# Altium PCB PCB1.PcbDoc (part 1 of 3) (continued)
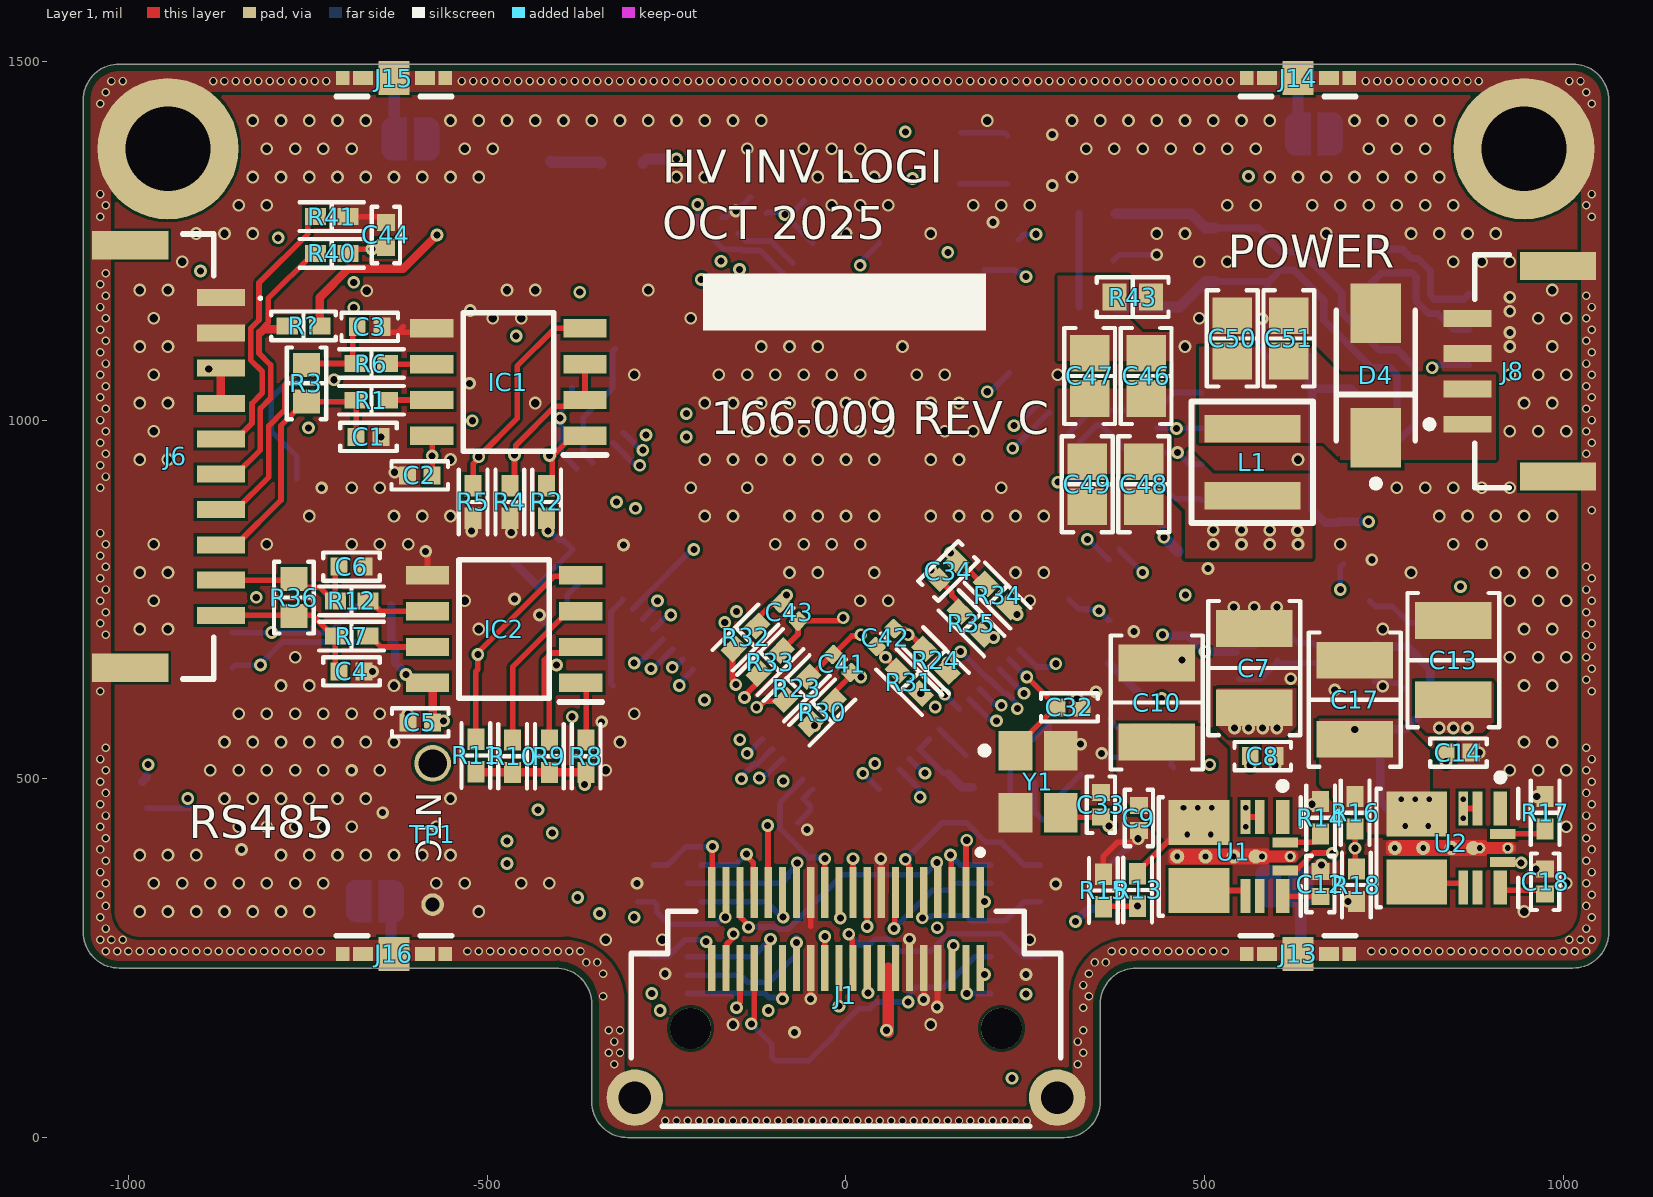
[diagram p0: Layer 1 view]
## Design rules (kind name [scope] priority, off if disabled: settings)
BoardOutlineClearance [All] p1: gap=10 ignorepadtopadclearanceinfootprint=FALSE except(0: Arc-SplitContinuation Track-SplitContinuation SMDPad-OutlineEdge SMDPad-CavityEdge SMDPad-CutoutEdge SMDPad-SplitBarrior SMDPad-SplitContinuation THPad-SplitContinuation Via-SplitContinuation Fill-SplitContinuation Poly-SplitContinuation Region-SplitContinuation Text-SplitContinuation)
Clearance [All] p1: gap=3.94 ignorepadtopadclearanceinfootprint=FALSE
ComponentClearance [All] p1: gap=2 collisioncheckmode=3 verticalgap=2 showdistances=FALSE
DiffPairsRouting [All] p1: maxlimit=10 minlimit=10 mostfreqgap=10 toplayer_minwidth=15 toplayer_maxwidth=15 toplayer_prefwidth=15 midlayer1_minwidth=15 midlayer1_maxwidth=15 midlayer1_prefwidth=15 midlayer2_minwidth=15 midlayer2_maxwidth=15 midlayer2_prefwidth=15 midlayer3_minwidth=15 midlayer3_maxwidth=15 midlayer3_prefwidth=15 midlayer4_minwidth=15 midlayer4_maxwidth=15 midlayer4_prefwidth=15 bottomlayer_minwidth=15 bottomlayer_maxwidth=15 bottomlayer_prefwidth=15 maxuncoupledlength=500
Height [All] p1 off: minheight=0 maxheight=1000 prefheight=500
HoleSize [All] p1: absolutevalues=TRUE maxlimit=196.85 minlimit=1 maxpercent=80.000 minpercent=20.000
HoleToHoleClearance [All] p1: gap=7.87 allowstackedmicrovias=TRUE
Length [All] p1 off: maxlimit=100000 minlimit=0
MatchedLengths [InNetClass('SDMMC')] p1: tolerance=1000 checknetsindiffpair=FALSE checkdiffpairvsdiffpair=TRUE checkxsignals=TRUE checkothers=TRUE usedelayunits=TRUE delaytolerance=200.000000
MinimumSolderMaskSliver [All] p1 off: minsoldermaskwidth=10
ParallelSegment [All] p1 off: limit=10000 gap=10
PlaneConnect [All] p1: planeconnectstyle=Direct reliefexpansion=20 reliefentries=4 reliefconductorwidth=10 reliefairgap=10
PolygonConnect [All] p1: connectstyle=Direct reliefconductorwidth=10 reliefentries=4 polygonreliefangle="90 Angle" airgapwidth=10
RoutingVias [All] p1: holewidth=7.87 width=15.75 viastyle="Through Hole" minholewidth=10 minwidth=10 maxholewidth=30 maxwidth=50
SilkToSilkClearance [All] p1: silktosilkclearance=2
SilkToSolderMaskClearance [IsPad] p1: minsilkscreentomaskgap=2 clearancetoexposedcopper=TRUE
SolderMaskExpansion isVia [isvia] p1: expansion=4 istentingtop=TRUE
SolderMaskExpansion [All] p2: expansion=0 istentingtop=FALSE
SupplyNets "Schematic Supply Nets_6" [InNet('GND')] p1: voltage=0.000
SupplyNets "Schematic Supply Nets_4" [InNet('3V')] p2: voltage=0.000
SupplyNets "Schematic Supply Nets_2" [InNet('12V')] p3: voltage=0.000
SupplyNets "Schematic Supply Nets_1" [InNet('CHASSIS')] p4: voltage=0.000
SupplyNets "Schematic Supply Nets" [InNet('+5V')] p5: voltage=0.000
Width [All] p1: maxlimit=50 minlimit=3.94 preferedwidth=7.87
21 further rules are at their usual default settings.

## Classes and differential pairs
component class Top: J9 J10 J11 J12 J13 J14 J15 J16 JP1 JP2 JP3 JP4
component class U_Power: C7 C8 C9 C10 C11 C12 C13 C14 C15 C16 C17 C18 C19 C20 IC6 R13 R14 R15 R16 R17 R18 R39 R44 U1 U2
component class U_PowerConnector: C46 C47 C48 C49 C50 C51 D4 J8 L1 R43
component class U_PeripheralConnector: C40 J4 J5 R27 R28 R29
component class U_MotorConnector: C44 J6 R40 R41 R?
component class U_MCU: C21 C22 C23 C24 C25 C26 C27 C28 C29 C30 C31 C32 C33 C35 C36 C52 C53 C54 D1 D2 D7 FB1 FB2 FL1 FL3 FL5 IC3 J2 R19 R20 R21 R22 R37 R38 SW1 TP1 U4 Y1
component class U_EnDat: C1 C2 C3 C4 C5 C6 IC1 IC2 R1 R2 R3 R4 R5 R6 R7 R8 R9 R10 R11 R12 R36
component class U_Connector: C34 C41 C42 C43 D5 D6 J1 R23 R24 R30 R31 R32 R33 R34 R35 U3 U6 U7 U8
component class U_CANConnector: C45 J7 R42
component class U_CANBus: C37 C38 C39 IC4 IC5 R25 R26 XMER1
differential pair CAN: +CAN_P -CAN_N
differential pair CAN_S: +CAN_S_P -CAN_S_N

## Components (designator, comment, footprint, x,y, rotation, side; value= is the part's Value field where it differs from the comment)
C1 "100 pF" "CAP 0402_1005" -665.35,976.38 r180 top
C2 "100nF" "CAP 0402_1005" -594.05,922.77 r0 top value="1 µF"
C3 "100 pF" "CAP 0402_1005" -663.78,1129.92 r0 top
C4 "100 pF" "CAP 0402_1005" -688.98,649.61 r180 top
C5 "100nF" "CAP 0402_1005" -593.34,578.49 r0 top value="1 µF"
C6 "100 pF" "CAP 0402_1005" -688.98,795.62 r0 top
C7 "10 µF" "CAP 1210_3225 - 1MM" 568.93,654.26 r270 top
C8 "0.1 µF" "CAP 0402_1005" 580.71,531.5 r180 top
C9 "0.1 µF" "CAP 0402_1005" 408.24,445.3 r90 top
C10 "22µF" "CAP 1210_3225 - 2.8MM" 433.07,606.3 r270 top
C11 "22µF" "CAP 1210_3225 - 2.8MM" 482.28,399.61 r90 bottom
C12 "1 µF" "CAP 0402_1005" 661.26,353.23 r270 top
C13 "10 µF" "CAP 1210_3225 - 1MM" 846.46,665.35 r270 top
C14 "0.1 µF" "CAP 0402_1005" 853.52,536.45 r180 top
C15 "0.1 µF" "CAP 0402_1005" 762.05,535.4 r180 bottom
C16 "22µF" "CAP 1210_3225 - 2.8MM" 753.07,404.72 r90 bottom
C17 "22µF" "CAP 1210_3225 - 2.8MM" 708.99,610.27 r270 top
C18 "1 µF" "CAP 0402_1005" 974.41,356.69 r270 top
C19 "CL10A226MQ8NRNC" CAP-0603 439.44,746.19 r0 bottom value=22µF
C20 "CL10A226MQ8NRNC" CAP-0603 777.3,654.77 r90 bottom value=22µF
C21 "10 µF" "CAP 0402_1005" 379.92,708.66 r135 bottom
C22 "10 µF" "CAP 0402_1005" 474.85,804.68 r135 bottom
C23 "1 µF" "MURATA GRM155 0402_1005" -122.05,1299.21 r315 bottom
C24 "1 µF" "MURATA GRM155 0402_1005" -161.42,1271.65 r315 bottom
C25 "1 µF" "MURATA GRM155 0402_1005" -399.61,720.89 r45 bottom
C26 "0.1 µF" "CAP 0402_1005" -70.36,1318.08 r315 bottom
C27 "0.1 µF" "CAP 0402_1005" 315.9,677.99 r225 bottom
C28 "0.1 µF" "CAP 0402_1005" 452.44,682.06 r90 bottom
C29 "0.1 µF" "CAP 0402_1005" -440.94,753.94 r45 bottom
C30 "0.1 µF" "CAP 0402_1005" -474.43,789.31 r45 bottom
C31 "0.1 µF" "CAP 0402_1005" -79.26,450.94 r135 bottom
C32 "8 pF" "CAP 0402_1005" 311.3,599.44 r0 top
C33 "8 pF" "CAP 0402_1005" 355.35,463.88 r90 top
C34 "1000 pF" "CAP 0402_1005" 142.47,789.45 r45 top
C35 "0.1 µF" "CAP 0402_1005" -748,918.06 r180 bottom
C36 "Capacitor 1µF +/-20% 10V 0402" CAPC0402(1005)60_L 353.98,648.69 r45 bottom value=1µF
C37 "4700 pF" "CAP 0603_1608" 346.05,1222.32 r0 bottom
C38 "1 µF" "CAP 0402_1005" 627.58,1088.35 r0 bottom
C39 "1 µF" "CAP 0402_1005" 433.07,972.05 r90 bottom
C40 "1000 pF" "CAP 0402_1005" 710.24,799.21 r180 bottom
C41 "Capacitor 100nF +/-20% 10V 0402" CAPC0402(1005)60_L -5.64,660.66 r135 top value=100nF
C42 "Capacitor 100nF +/-20% 10V 0402" CAPC0402(1005)60_L 54.53,696.82 r45 top value=100nF
C43 "Capacitor 100nF +/-20% 10V 0402" CAPC0402(1005)60_L -78.74,732.28 r135 top value=100nF
C44 "330 pF" "CAP 0402_1005" -641.24,1257.86 r270 top
C45 "1000 pF" "CAP 0402_1005" 192.57,1226.32 r270 bottom
C46 "2.2 µF" "CAP 0805_2012" 418.34,1061.42 r270 top
C47 "2.2 µF" "CAP 0805_2012" 339.57,1061.42 r270 top
C48 "2.2 µF" "CAP 0805_2012" 414.99,910.46 r90 top
C49 "2.2 µF" "CAP 0805_2012" 336.22,910.46 r90 top
C50 "2.2 µF" "CAP 0805_2012" 538.32,1113.78 r270 top
C51 "2.2 µF" "CAP 0805_2012" 617.09,1113.78 r270 top
C52 "Capacitor 1µF +/-20% 10V 0402" CAPC0402(1005)60_L 474.4,515.78 r180 bottom value=4.7µF
C53 "Capacitor 1µF +/-20% 10V 0402" CAPC0402(1005)60_L 295.24,589.95 r225 bottom value=4.7µF
C54 "Capacitor 100nF +/-20% 25V 0402" CAPC0402(1005)60_L 154.26,520.4 r225 bottom value=100nF
D1 "Red" "LED 0603_1608 RED" 129.38,1329.39 r0 bottom
D2 "Green" "LED 0603_1608 GREEN" 131.35,1400.25 r0 bottom
D4 "SMAJ24A" FP-SMAJ-MFG 738.35,1062.06 r90 top
D5 "SMF12AT1G" ONSC-SOD-123FL-2-498_V -12.8,147.64 r180 bottom
D6 "PESD3V3L1UB,115" FP-SOD523-MFG 360.51,346.78 r90 bottom
D7 "Green" "LED 0603_1608 GREEN" -312.31,1358.02 r180 bottom
FB1 "HZ0603A252R-10" BEADC1608X95N 433.07,595.68 r315 bottom
FB2 "HZ0603A252R-10" BEADC1608X95N 197.53,467.34 r135 bottom
FL1 "MEM2012S25R0T001" MEM2012S25R0T001 -355.43,599.3 r225 bottom
FL3 "MEM2012S25R0T001" MEM2012S25R0T001 -412.4,1075.79 r135 bottom
FL5 "MEM2012S25R0T001" MEM2012S25R0T001 -353.35,1133.86 r135 bottom
IC1 "SN65HVD78DR" SOIC127P600X175-8N -470.48,1052.92 r180 top
IC2 "SN65HVD78DR" SOIC127P600X175-8N -476.38,708.66 r180 top
IC3 "LDH40PUR" SON65P200X200X80-7N 356.3,535.43 r225 bottom
IC4 "ESD2CAN24DBZRQ1" SOT95P237X112-3N 472.07,1230.31 r180 bottom
IC5 "TCAN1472VDRQ1" SOIC127P600X175-8N 602.37,963.32 r0 bottom
IC6 "LDH40PUR" SON65P200X200X80-7N 694.6,661.06 r180 bottom
J1 "LSHM-120-01-L-DH-A-S-K-TR" *SAMTEC_LSHM-120-01-L-DH-A-S-K-TR_LSHM-120-01-L-DH-A-S-K-TR(Primary) 0,152.17 r0 top locked
J2 "FTSH-107-01-F-DV-K-P-TR_1" FTSH-107-XX-YYY-DV-K-P-TR -658.21,1152.69 r270 bottom
J4 "SM04B-GHS-TB(LF)(SN)" FP-SM04B-GHS-TB_LF_SN-MFG -944.88,728.35 r90 bottom
J5 "SM03B-GHS-TB(LF)(SN)" FP-SM03B-GHS-TB_LF_SN-MFG 951.68,709.65 r270 bottom
J6 "SM10B-GHS-TB" SM10BGHSTB -955.97,949.17 r270 top
J7 "SM05B-GHS-TB(LF)(SN)" FP-SM05B-GHS-TB_LF_SN-MFG 957.68,1076.77 r270 bottom
J8 "SM04B-GHS-TB(LF)(SN)" FP-SM04B-GHS-TB_LF_SN-MFG 955.71,1067.91 r90 top
J9 "S0951-46R" FP-S0951-46R-MFG -629.92,255.91 r270 bottom
J10 "S0951-46R" FP-S0951-46R-MFG 629.92,255.91 r270 bottom
J11 "S0951-46R" FP-S0951-46R-MFG -629.92,1476.38 r270 bottom
J12 "S0951-46R" FP-S0951-46R-MFG 629.92,1476.38 r270 bottom
J13 "S0951-46R" FP-S0951-46R-MFG 629.92,255.91 r90 top
J14 "S0951-46R" FP-S0951-46R-MFG 629.92,1476.38 r90 top
J15 "S0951-46R" FP-S0951-46R-MFG -629.92,1476.38 r90 top
J16 "S0951-46R" FP-S0951-46R-MFG -629.92,255.91 r90 top
JP1 "jumper_no" jumper_no 606.16,350.33 r90 bottom
JP2 "jumper_no" jumper_no -601.96,1391.69 r270 bottom
JP3 "jumper_no" jumper_no -661.49,329.43 r90 bottom
JP4 "jumper_no" jumper_no 657.48,1398.62 r270 bottom
L1 "XGL4020-152MEC" FP-XGL4020-MFG 566.24,941.12 r90 top value=1.5uH
R1 "10 Ohms" "RES 0402_1005" -661.42,1027.56 r180 top
R2 "4.7 kOhms" "RES 0402_1005" -417.32,885.83 r270 top
R3 "120R" "RES 0603_1608" -751.97,1051.18 r270 top value=510R
R4 "4.7 kOhms" "RES 0402_1005" -468.5,885.83 r90 top
R5 "4.7 kOhms" "RES 0402_1005" -519.68,885.83 r90 top
R6 "10 Ohms" "RES 0402_1005" -661.42,1078.74 r180 top
R7 "10 Ohms" "RES 0402_1005" -688.98,698.82 r180 top
R8 "4.7 kOhms" "RES 0402_1005" -362.2,531.5 r270 top
R9 "4.7 kOhms" "RES 0402_1005" -413.39,531.5 r270 top
R10 "4.7 kOhms" "RES 0402_1005" -464.57,531.5 r270 top
R11 "4.7 kOhms" "RES 0402_1005" -515.75,532.48 r270 top
R12 "10 Ohms" "RES 0402_1005" -688.98,748.03 r180 top
R13 "110k" "RES 0402_1005" 406.52,345.07 r270 top
R14 "12.1k" "RES 0402_1005" 661.57,445.61 r90 top
R15 "10k" "RES 0402_1005" 358.61,344.4 r90 top
R16 "40.2k" "RES 0402_1005" 709.48,452.74 r270 top
R17 "12.1k" "RES 0402_1005" 974.41,452.76 r90 top
R18 "10k" "RES 0402_1005" 711.27,351.85 r270 top
R19 "10 kOhms" "RES 0402_1005" -974.65,481.37 r90 bottom
R20 "1 kOhms" "RES 0402_1005" 247.49,1329.39 r180 bottom
R21 "1 kOhms" "RES 0402_1005" 247.49,1396.31 r180 bottom
R22 "1 kOhms" "RES 0402_1005" -434.05,1360.59 r0 bottom
R23 "50 Ohms" "RES 0402_1005" -68.62,626.09 r225 top value=50
R24 "50 Ohms" "RES 0402_1005" 125.4,665.32 r135 top
R25 "60R" "RES 0603_1608" 350.39,1287.4 r0 bottom value="560 Ohms"
R26 "60R" "RES 0603_1608" 350.39,1157.48 r180 bottom value="560 Ohms"
R27 "4.7 kOhms" "RES 0402_1005" -655.3,690.73 r0 bottom
R28 "4.7 kOhms" "RES 0402_1005" -656.2,740.85 r0 bottom
R29 "100 Ohms" "RES 0402_1005" 707.3,748.02 r0 bottom
R30 "50 Ohms" "RES 0402_1005" -33.19,592.51 r225 top
R31 "50 Ohms" "RES 0402_1005" 88.12,634.71 r135 top
R32 "50 Ohms" "RES 0402_1005" -139.99,697.02 r225 top
R33 "50 Ohms" "RES 0402_1005" -105.68,662.7 r225 top
R34 "150 Ohms" "RES 0402_1005" 211.21,755.53 r135 top
R35 "150 Ohms" "RES 0402_1005" 174.74,716.88 r135 top
R36 "120R" "RES 0603_1608" -769.44,752.58 r270 top value=510R
R37 "35 kOhms" "RES 0402_1005" 245.07,512.68 r315 bottom
R38 "20 kOhms" "RES 0402_1005" 316.21,442.28 r0 bottom
R39 "35 kOhms" "RES 0402_1005" 547.24,661.42 r270 bottom
R40 "100 Ohms" "RES 0402_1005" -716.54,1232.28 r180 top
R41 "100 Ohms" "RES 0402_1005" -716.54,1283.46 r180 top
R42 "100 Ohms" "RES 0402_1005" 240.16,1228.35 r90 bottom
R43 "1.1 Ohms" "RES 0603_1608" 399.61,1171.26 r180 top
R44 "20 kOhms" "RES 0402_1005" 601.38,642.72 r270 bottom
R? "1 kOhms" "RES 0402_1005" -756.06,1131.15 r0 top
SW1 "PTS636 SKG25 SMTR LFS" FP-PTS636_SKG25_SMTR_LFS-MFG -764.66,458.08 r180 bottom
TP1 "ProbePoint" ProbePoint -576.01,521.48 r270 top
U1 "TPSM33615RDNR" RDN0011A-MFG 531.3,391.67 r270 top
U2 "TPSM33615RDNR" RDN0011A-MFG 834.65,403.54 r270 top
U3 "PESD3V3L5UY,115" FP-SOT363-IPC_A 236.22,226.35 r180 bottom
U4 "STM32H723VGT6" LQFP100_STM 0,866.14 r135 bottom locked
U6 "PESD3V3L5UY,115" FP-SOT363-IPC_A 236.22,354.33 r180 bottom
U7 "PESD3V3L5UY,115" FP-SOT363-IPC_A -236.22,354.33 r0 bottom
U8 "PESD3V3L5UY,115" FP-SOT363-IPC_A -236.22,226.35 r0 bottom
XMER1 "1812CAN-513NRC" XMER_1812CAN-513NRC_COC 659.45,1221.53 r270 bottom
Y1 "NX3225SA-25.000M-STD-CRS-2" FP-NX3225SA-MFG 267.72,496.06 r270 top

## Footprints (in the part's own frame and the unit in brackets; to place one, negate y for a bottom-side part, rotate by r counter-clockwise, add the part's x,y. Pads: shape width x height; smd on the part's side, far side on the other; paste and mask are expansions set on the pad)
*SAMTEC_LSHM-120-01-L-DH-A-S-K-TR_LSHM-120-01-L-DH-A-S-K-TR(Primary) [mm]
  rect 0.254x1.8 smd: 01(4.75,4.81) 03(4.25,4.81) 05(3.75,4.81) 07(3.25,4.81) 09(2.75,4.81) 11(2.25,4.81) 13(1.75,4.81) 15(1.25,4.81) 17(0.75,4.81) 19(0.25,4.81) 21(-0.25,4.81) 23(-0.75,4.81) 25(-1.25,4.81) 27(-1.75,4.81) 29(-2.25,4.81) 31(-2.75,4.81) 33(-3.25,4.81) 35(-3.75,4.81) 37(-4.25,4.81) 39(-4.75,4.81)
  rect 0.254x1.63 smd: 02(4.75,2.135) 04(4.25,2.135) 06(3.75,2.135) 08(3.25,2.135) 10(2.75,2.135) 12(2.25,2.135) 14(1.75,2.135) 16(1.25,2.135) 18(0.75,2.135) 20(0.25,2.135) 22(-0.25,2.135) 24(-0.75,2.135) 26(-1.25,2.135) 28(-1.75,2.135) 30(-2.25,2.135) 32(-2.75,2.135) 34(-3.25,2.135) 36(-3.75,2.135) 38(-4.25,2.135) 40(-4.75,2.135)
  round 1.45 hole 1.45 unplated: None(-5.5,0) None(5.5,0)
  round 2 hole 1.15: S1(-7.475,-2.45) S2(7.475,-2.45)
  silkscreen extent -7.6,-3.47 7.6,6.33, body extent -7.9,-3.39 7.9,5.6, height 5.26
BEADC1608X95N [mm]
  rect 0.95x1 smd: 1(-0.75,0) 2(0.75,0)
  silkscreen extent 0,-0.3 0,0.3, body extent -0.8,-0.4 0.8,0.4, height 0.95
"CAP 0402_1005" [mm] "Chip Capacitor, 2-Leads, Body 1.02x0.51mm, IPC Medium Density"
  rect 0.6x0.64 smd: 1(-0.44,0) 2(0.44,0)
  silkscreen extent -1,-0.5 1,0.5, body extent -0.5,-0.26 0.5,0.26, height 0.52
"CAP 0603_1608" [mm] "Chip Capacitor, 2-Leads, Body 1.60x0.80mm, IPC Medium Density"
  rect 0.9x1 smd: 1(-0.675,0) 2(0.675,0)
  silkscreen extent -1.4,-0.7 1.4,0.7, body extent -0.8,-0.41 0.8,0.41, height 0.82
"CAP 0805_2012" [mm] "Chip Capacitor, 2-Leads, Body 2.00x1.20mm, IPC Medium Density"
  rect 1.3x1.4 smd: 1(-0.8,0) 2(0.8,0)
  silkscreen extent -1.7,-0.9 1.7,0.9, body extent -1,-0.64 1,0.64, height 1.26
"CAP 1210_3225 - 1MM" [mm] "Chip Capacitor, 2-Leads, Body 3.20x2.50mm, IPC Medium Density"
  rect 1.3x2.7 smd: 1(-1.4,0) 2(1.4,0)
  silkscreen extent -2.37,-1.63 2.37,1.63, body extent -1.6,-1.25 1.6,1.25, height 1
"CAP 1210_3225 - 2.8MM" [mm] "Chip Capacitor, 2-Leads, Body 3.20x2.50mm, IPC Medium Density"
  rect 1.3x2.7 smd: 1(-1.4,0) 2(1.4,0)
  silkscreen extent -2.37,-1.63 2.37,1.63, body extent -1.6,-1.25 1.6,1.25, height 2.8
CAP-0603 [mm] "Chip Capacitor, 2-Leads, Body 1.60x0.80mm, IPC High Density"
  rect 0.6x0.85 smd: 1(-0.75,0) 2(0.75,0)
  body extent -0.85,-0.45 0.85,0.45, height 0.9
CAPC0402(1005)60_L [mm] "Chip Capacitor, Body 1.0x0.5mm, Height 0.6mm, IPC High Density"
  rrect25% 0.5x0.55 smd: 1(-0.45,0) 2(0.45,0)
  silkscreen extent 0,-0.2 0,0.2, body extent -0.5,-0.25 0.5,0.25, height 0.6
FP-NX3225SA-MFG [mm]
  rect 1.4x1.2 smd paste+0 mask+0: 1(-1.1,-0.8) 2(1.1,-0.8) 3(1.1,0.8) 4(-1.1,0.8)
  silkscreen extent -1.22,-2.02 -0.98,-1.77, body extent -1.6,-1.25 1.6,1.25, height 0.6
FP-PTS636_SKG25_SMTR_LFS-MFG [mm]
  rect 1.45x1 smd paste+0 mask+0: 1(-3.775,0) 2(3.775,0)
  rect 0.9x0.4 smd paste+0 mask+0: 3(-1.9,1.7) 4(1.9,-1.7)
  silkscreen extent -5.25,-1.95 3.1,1.95, body extent -4,-1.85 4,1.85, height 2.75
FP-S0951-46R-MFG [mm]
  rect 0.5x0.48 smd paste+0 mask+0: 1(0,-1.81) 1(0,1.81)
  rect 0.5x0.7 smd paste+0 mask+0: 1(0,-1.1) 1(0,1.1)
  rect 1.2x1.1 smd paste+0 mask+0: 1(0,0)
  silkscreen extent -0.65,-2.05 -0.65,2.05, body extent -0.55,-1.95 0.55,1.95, height 1.28
FP-SM03B-GHS-TB_LF_SN-MFG [mm]
  rect 0.6x1.7 smd paste+0 mask+0: 1(-1.25,2.275) 2(0,2.275) 3(1.25,2.275)
  rect 1x2.7 smd paste+0 mask+0: 4(-3.1,-0.925) 5(3.1,-0.925)
  silkscreen extent -3.5,0.82 3.5,3.8, body extent -3.5,-2.02 3.5,2.83, height 4.25
FP-SM04B-GHS-TB_LF_SN-MFG [mm]
  rect 0.6x1.7 smd paste+0 mask+0: 1(-1.875,2.275) 2(-0.625,2.275) 3(0.625,2.275) 4(1.875,2.275)
  rect 1x2.7 smd paste+0 mask+0: 5(-3.725,-0.925) 6(3.725,-0.925)
  silkscreen extent -4.13,0.8 4.13,3.75, body extent -4.12,-2.02 4.13,2.83, height 4.35
FP-SM05B-GHS-TB_LF_SN-MFG [mm]
  rect 0.6x1.7 smd paste+0 mask+0: 1(-2.5,2.275) 2(-1.25,2.275) 3(0,2.275) 4(1.25,2.275) 5(2.5,2.275)
  rect 1x2.7 smd paste+0 mask+0: 6(-4.35,-0.925) 7(4.35,-0.925)
  silkscreen extent -4.75,0.8 4.75,3.85, body extent -4.75,-2.02 4.75,2.83, height 4.35
FP-SMAJ-MFG [mm]
  rect 2.1x1.8 smd paste+0 mask+0: 1(-2.2,0) 2(2.2,0)
  silkscreen extent -3.95,-1.4 2.3,1.4, body extent -3.35,-1.5 3.35,1.5, height 0.25
FP-SOD523-MFG [mm]
  rect 0.5x0.6 smd paste-1000 mask+0: 1(-0.7,0) 2(0.7,0)
  silkscreen extent -1.62,-0.43 0.08,0.43, body extent -0.8,-0.4 0.8,0.4, height 0.65
FP-SOT363-IPC_A [mm]
  rect 1.559x0.422 smd paste+0 mask+0: 1(-0.877,0.65)
  rrect100% 1.559x0.422 smd paste+0 mask+0: 2(-0.877,0) 3(-0.877,-0.65) 4(0.877,-0.65) 5(0.877,0) 6(0.877,0.65)
  silkscreen extent -2.28,-1.25 1.05,1.25, body extent -1.05,-1 1.05,1, height 1.1
FP-XGL4020-MFG [mm]
  rect 0.98x3.4 smd paste+0 mask+0: 1(-1.185,0) 2(1.185,0)
  silkscreen extent -2.15,-2.15 2.15,2.15, body extent -2.25,-2.25 2.25,2.25, height 0.25
FTSH-107-XX-YYY-DV-K-P-TR [mm]
  rect 0.74x2.79 smd: 1(-3.81,-2.035) 2(-3.81,2.035) 3(-2.54,-2.035) 4(-2.54,2.035) 5(-1.27,-2.035) 6(-1.27,2.035) 7(0,-2.035) 8(0,2.035) 9(1.27,-2.035) 10(1.27,2.035) 11(2.54,-2.035) 12(2.54,2.035) 13(3.81,-2.035) 14(3.81,2.035)
  silkscreen extent -4.83,-3.43 4.44,1.72, body extent -4.45,-4.43 4.45,2.94, height 6.99
jumper_no [mil]
  round 1 smd: 1(0,27.5) 2(0,-17.5)
  Layer 1 region: 29.5,10 -29.5,10 -29.5,32 -28.51,36.98 -25.69,41.19 -21.47,44.01 -16.5,45 -16.5,45 15.5,45 20.86,43.93 25.4,40.9 28.43,36.36 29.5,31 29.5,31
  Layer 1 region: -29.5,0 29.5,0 29.5,-22 28.51,-26.98 25.69,-31.19 21.47,-34.01 16.5,-35 16.5,-35 -15.5,-35 -20.86,-33.93 -25.4,-30.9 -28.43,-26.36 -29.5,-21 -29.5,-21
  silkscreen extent -37,-42 37,52
"LED 0603_1608 GREEN" [mm] "Chip Diode, 2-Leads, Body 1.60x0.80mm, IPC Medium Density"
  rect 0.8x0.8 smd: 1(-0.75,0) 2(0.75,0)
  silkscreen extent -1.52,-0.7 1.52,0.7, body extent -0.8,-0.4 0.8,0.4, height 0.53
"LED 0603_1608 RED" [mm] "Chip Diode, 2-Leads, Body 1.60x0.80mm, IPC Medium Density"
  rect 0.8x0.8 smd: 1(-0.75,0) 2(0.75,0)
  silkscreen extent -1.52,-0.7 1.52,0.7, body extent -0.8,-0.4 0.8,0.4, height 0.53
LQFP100_STM [mil]
  rect 46x9 smd paste+0 mask+0: 1(-302,236.22) 2(-302,216.54) 3(-302,196.85) 4(-302,177.17) 5(-302,157.48) 6(-302,137.8) 7(-302,118.11) 8(-302,98.43) 9(-302,78.74) 10(-302,59.06) 11(-302,39.37) 12(-302,19.69) 13(-302,0) 14(-302,-19.68) 15(-302,-39.37) 16(-302,-59.06) 17(-302,-78.74) 18(-302,-98.43) 19(-302,-118.11) 20(-302,-137.8) 21(-302,-157.48) 22(-302,-177.17) 23(-302,-196.85) 24(-302,-216.54) 25(-302,-236.22) 51(302,-236.22) 52(302,-216.54) 53(302,-196.85) 54(302,-177.17) 55(302,-157.48) 56(302,-137.8) 57(302,-118.11) 58(302,-98.43) 59(302,-78.74) 60(302,-59.06) 61(302,-39.37) 62(302,-19.68) 63(302,0) 64(302,19.68) 65(302,39.37) 66(302,59.06) 67(302,78.74) 68(302,98.43) 69(302,118.11) 70(302,137.8) 71(302,157.48) 72(302,177.17) 73(302,196.85) 74(302,216.54) 75(302,236.22)
  rect 9x46 smd paste+0 mask+0: 26(-236.22,-302) 27(-216.54,-302) 28(-196.85,-302) 29(-177.17,-302) 30(-157.48,-302) 31(-137.8,-302) 32(-118.11,-302) 33(-98.43,-302) 34(-78.74,-302) 35(-59.06,-302) 36(-39.37,-302) 37(-19.68,-302) 38(0,-302) 39(19.68,-302) 40(39.37,-302) 41(59.06,-302) 42(78.74,-302) 43(98.43,-302) 44(118.11,-302) 45(137.8,-302) 46(157.48,-302) 47(177.17,-302) 48(196.85,-302) 49(216.54,-302) 50(236.22,-302) 76(236.22,302) 77(216.54,302) 78(196.85,302) 79(177.17,302) 80(157.48,302) 81(137.8,302) 82(118.11,302) 83(98.43,302) 84(78.74,302) 85(59.06,302) 86(39.37,302) 87(19.68,302) 88(0,302) 89(-19.68,302) 90(-39.37,302) 91(-59.06,302) 92(-78.74,302) 93(-98.43,302) 94(-118.11,302) 95(-137.8,302) 96(-157.48,302) 97(-177.17,302) 98(-196.85,302) 99(-216.54,302) 100(-236.22,302)
  silkscreen extent -300,-285 285,300, body extent -319,-319 319,319, height 63
MEM2012S25R0T001 [mm]
  rect 0.8x1 smd: 1(-1.1,0) 3(1.1,0)
  rect 0.4x2 smd: 2(0,0)
  silkscreen extent -2.1,-0.05 -2,0.05, body extent -1,-0.62 1,0.62, height 1
"MURATA GRM155 0402_1005" [mm] "Chip Capacitor, 2-Leads, Body 1.0x0.50mm"
  rect 0.4x0.5 smd: 1(-0.4,0) 2(0.4,0)
  silkscreen extent -0.9,-0.5 0.9,0.5, body extent -0.52,-0.27 0.53,0.28, height 0.55
ONSC-SOD-123FL-2-498_V [mm] "SOD, 2-Leads, Body 2.7x1.65mm"
  rect 1.25x1.22 smd: 1(-1.475,0) 2(1.475,0)
  silkscreen extent -1.6,-0.82 0.45,1.28, body extent -1.35,-0.82 1.35,0.82, height 0.98
ProbePoint [mm]
  round 1.3 hole 1: 1(0,0)
  round 0.8 hole 0.5: 2(5,0)
RDN0011A-MFG [mm]
  rect 1.2x0.475 smd paste-0.587 mask-0.584: 1(-1.4,1.962) 8(1.4,1.962)
  rect 1.2x0.35 smd paste-0.587 mask-0.584: 2(-1.4,1.15) 3(-1.4,0.65) 6(1.4,0.65) 7(1.4,1.15)
  round 0.35 hole 0.2 paste-2539.97 mask-0.165: 3(-1.73,0.65) 3(-1.05,0.65)
  round 0.5 hole 0.2 paste-2539.97 mask-0.241: 4(-1.73,-0.55) 4(-1.73,-1.55) 4(-1.73,-1.05) 4(-0.78,-0.59) 4(-0.78,-1.41) 10(0,0.23) 10(0,-0.77) 10(0,-1.77)
  rect 1.6x2.15 smd paste-1.062 mask-1.067: 4(-1.2,-1) 5(1.2,-1)
  rect 0.35x0.9 smd paste-0.437 mask-0.432: 9(0.5,2.05) 11(-0.5,2.05)
  round 0.4 hole 0.2 paste-2539.97 mask-0.191: 10(0,2.23) 10(0,1.23)
  round 0.504 smd paste-0.239 mask-0.241: 10(0,1.005)
  round 0.025 smd mask+0: 10(0,0.212)
  Layer 1 region: -0.2,1.515 -0.2,2.4 -0.1,2.5 0.1,2.5 0.2,2.4 0.2,1.515 0.24,1.475 0.24,1.475 0.28,1.435 0.28,-1.975 0.18,-2.075 -0.18,-2.075 -0.28,-1.975 -0.28,1.435 -0.24,1.475 -0.24,1.475
  silkscreen extent -2.62,-2.42 2.1,2.6, body extent -1.81,-2.19 1.71,2.32, height 2.03
"RES 0402_1005" [mm] "Chip Resistor, 2-Leads, Body 1.0x0.5mm, IPC Medium Density"
  rect 0.75x0.6 smd: 1(-0.575,0) 2(0.575,0)
  silkscreen extent -1.14,-0.51 1.14,0.51, body extent -0.5,-0.25 0.5,0.25, height 0.35
"RES 0603_1608" [mm] "Chip Resistor, 2-Leads, Body 1.60x0.80mm, IPC Medium Density"
  rect 0.85x0.95 smd: 1(-0.65,0) 2(0.65,0)
  silkscreen extent -1.27,-0.7 1.27,0.7, body extent -0.8,-0.4 0.8,0.4, height 0.45
SM10BGHSTB [mm]
  rect 0.6x1.7 smd: 1(-5.625,2.15) 2(-4.375,2.15) 3(-3.125,2.15) 4(-1.875,2.15) 5(-0.625,2.15) 6(0.625,2.15) 7(1.875,2.15) 8(3.125,2.15) 9(4.375,2.15) 10(5.625,2.15)
  rect 1x2.7 smd: MP1(-7.475,-1.05) MP2(7.475,-1.05)
  silkscreen extent -7.88,0.8 7.88,3.6, body extent -7.88,-2.3 7.88,2.94, height 4.35
SOIC127P600X175-8N [mm]
  rect 1.525x0.65 smd: 1(-2.712,1.905) 2(-2.712,0.635) 3(-2.712,-0.635) 4(-2.712,-1.905) 5(2.712,-1.905) 6(2.712,-0.635) 7(2.712,0.635) 8(2.712,1.905)
  silkscreen extent -3.47,-2.45 1.6,2.58, body extent -3.01,-2.45 3.01,2.45, height 1.63
SON65P200X200X80-7N [mm]
  rect 0.6x0.35 smd: 1(-1.05,0.65) 2(-1.05,0) 3(-1.05,-0.65) 4(1.05,-0.65) 5(1.05,0) 6(1.05,0.65)
  rect 1.1x1.7 smd: 7(0,0)
  silkscreen extent -1.47,1.2 -1.23,1.45, body extent -1.05,-1 1.05,1, height 0.8
SOT95P237X112-3N [mm]
  rect 1.25x0.6 smd: 1(-1.05,0.95) 2(-1.05,-0.95) 3(1.05,0)
  silkscreen extent -1.68,-1.46 0.08,1.5, body extent -1.18,-1.46 1.18,1.46, height 1.12
XMER_1812CAN-513NRC_COC [mil]
  rect 45x39 smd paste-19.5 mask+0: 1(-34,72.5) 2(-34,-72.5) 3(34,-72.5) 4(34,72.5)
  silkscreen extent -95,-113 78,113, body extent -55,-90 55,90, height 118
